# Altium PCB Blues Brkr.PcbDoc
Units mm, origin at the board's own origin, x right, y up, seen from the top; angles counter-clockwise.
Board outline 59.05 x 85.17 mm, 2 copper layers (Top Layer, Bottom Layer); 80 components, 53 nets, 214 pads, 232 vias.
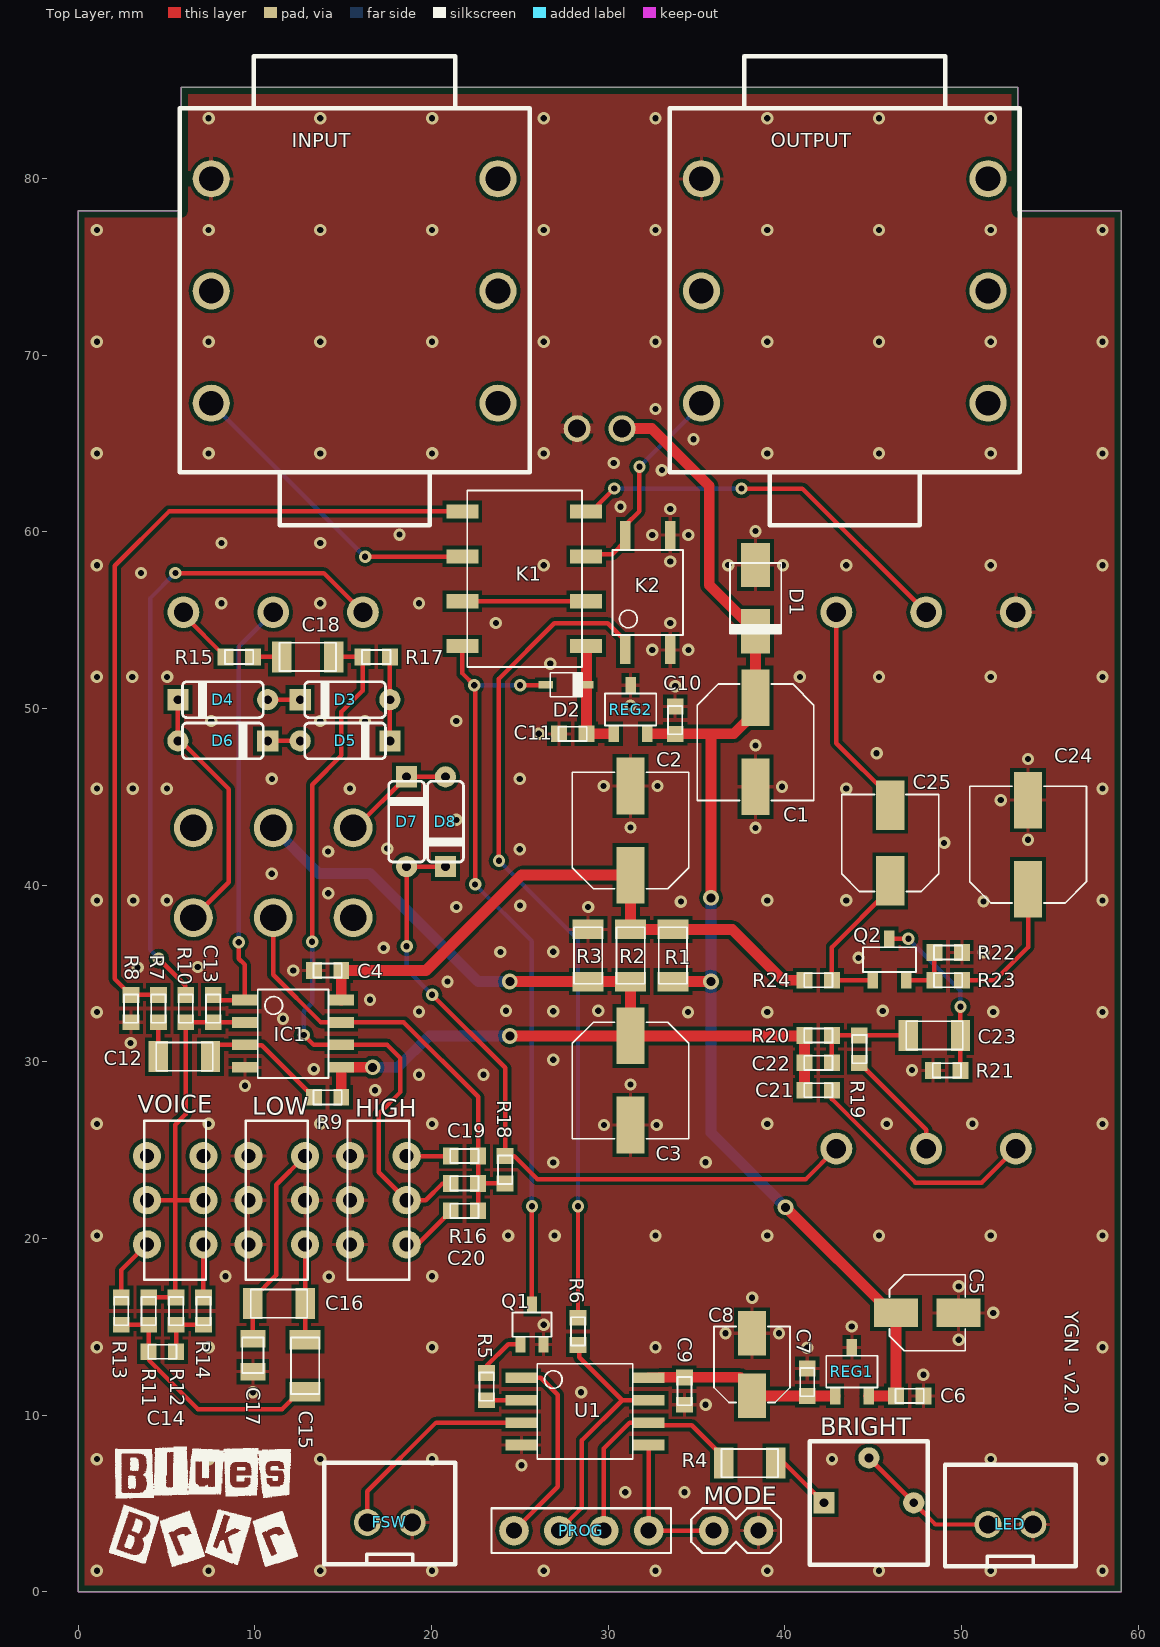
[diagram p0: Top Layer view]
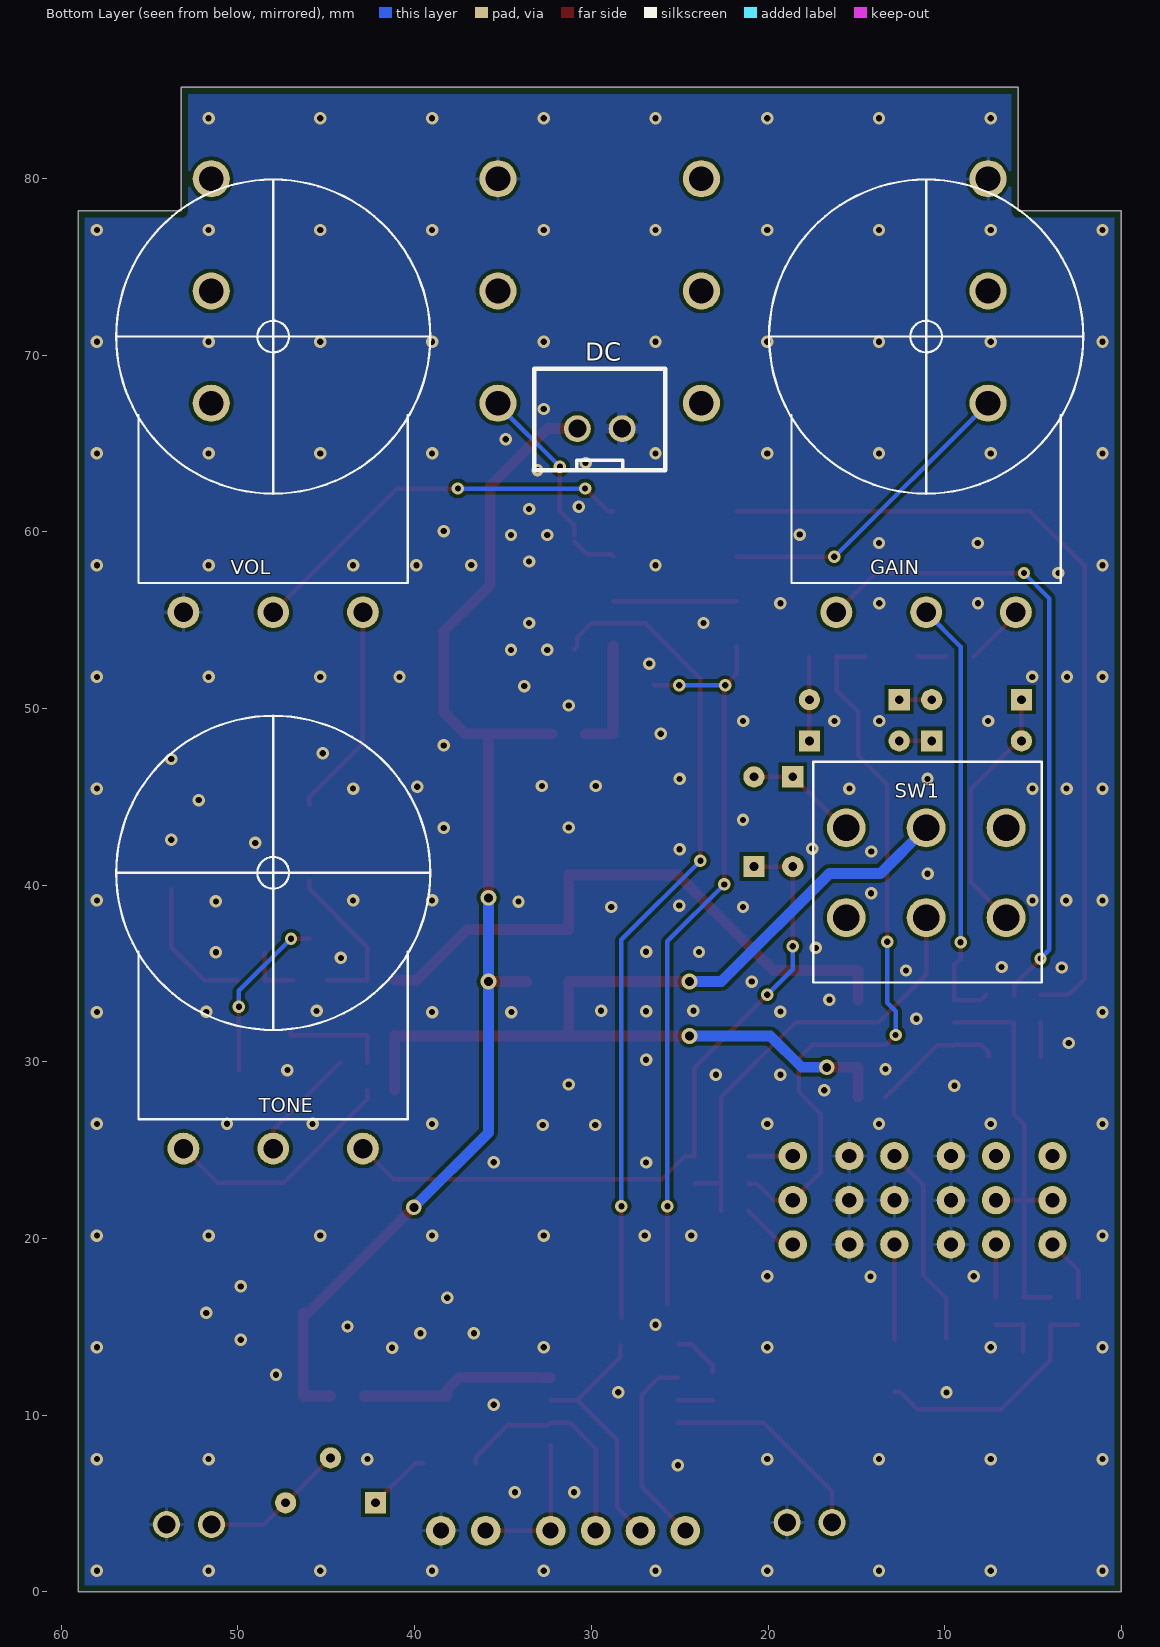
[diagram p1: Bottom Layer view, seen from below]
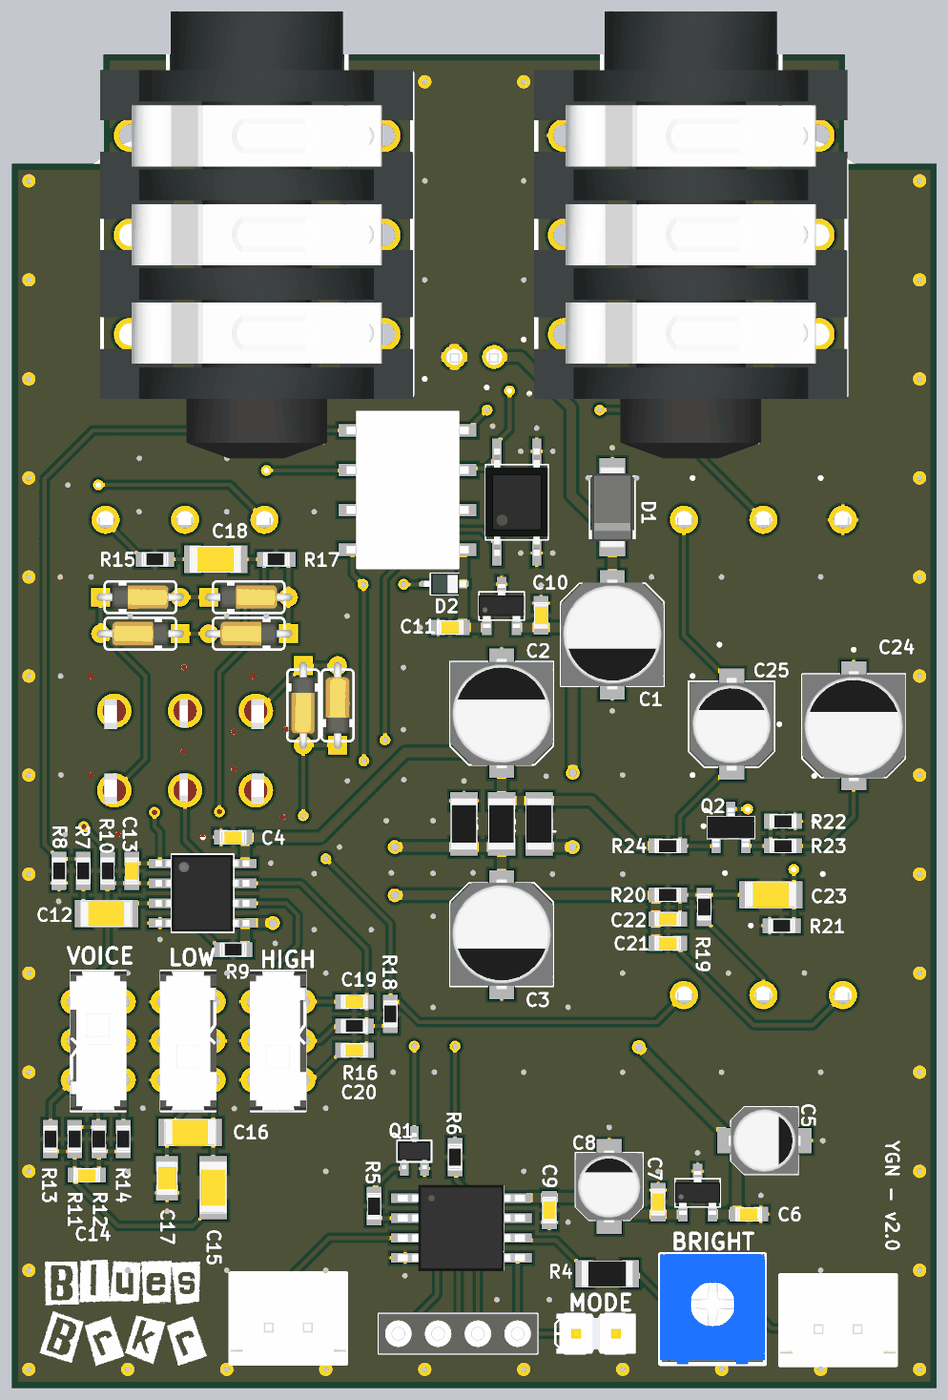
[diagram p2: 3D render of the assembled board from above, using the file's embedded part models]
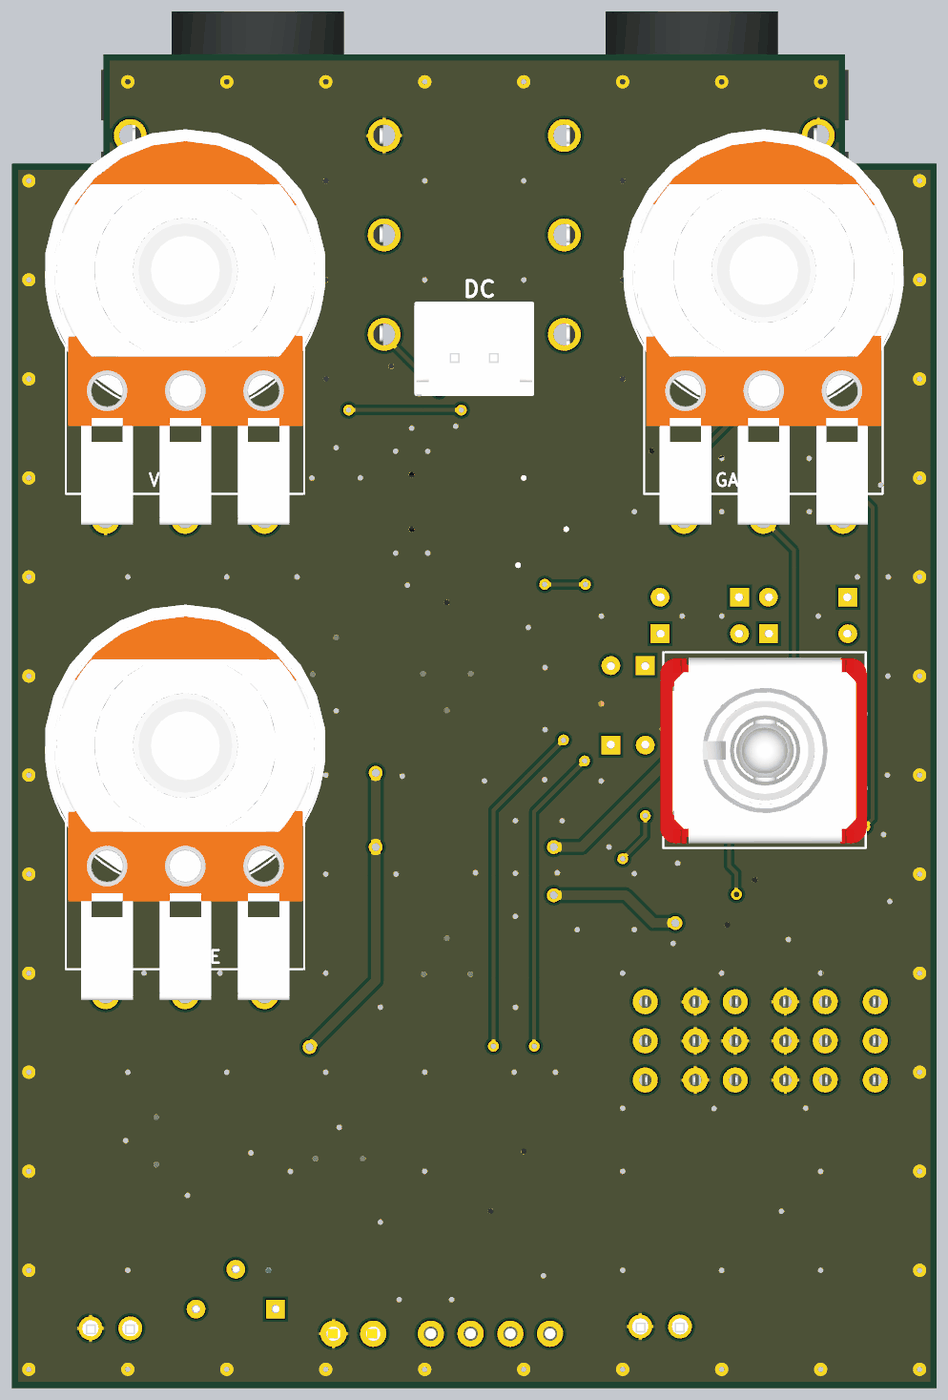
[diagram p3: 3D render of the assembled board from below, using the file's embedded part models]

## Layer stack, top to bottom
Top Solder: solder mask 0.0102, Solder Resist, Dk 3.5
Top Layer: signal copper 0.0356
Dielectric 1: dielectric 0.32, FR-4, Dk 4.8
Bottom Layer: signal copper 0.0356
Bottom Solder: solder mask 0.0102, Solder Resist, Dk 3.5

## Board outline
53.204,85.171 53.204,78.186 59.055,78.186 59.055,0 0,0 0,78.186 5.85,78.186 5.85,85.171

## Design rules (kind name [scope] priority, off if disabled: settings)
BoardOutlineClearance BottomOverlay [OnLayer('Bottom Overlay')] p1: gap=0 ignorepadtopadclearanceinfootprint=FALSE
BoardOutlineClearance TopOverlay [OnLayer('Top Overlay')] p2: gap=0 ignorepadtopadclearanceinfootprint=FALSE
BoardOutlineClearance [All] p3: gap=0.381 ignorepadtopadclearanceinfootprint=FALSE
Clearance [All] p1: gap=0.203 ignorepadtopadclearanceinfootprint=FALSE except(0: Arc-Text Arc-Hole Track-Text Track-Hole SMDPad-Text SMDPad-Hole THPad-Text THPad-Hole Via-Text Via-Hole Fill-Text Fill-Hole Poly-Text Poly-Hole Region-Text Region-Hole Text-Text Text-Hole)
ComponentClearance [All] p1 off: gap=0.025 collisioncheckmode=3 verticalgap=0.025 showdistances=FALSE
DiffPairsRouting [All] p1: maxlimit=10 minlimit=0.152 mostfreqgap=0.203 toplayer_minwidth=0.152 toplayer_maxwidth=0.381 toplayer_prefwidth=0.203 bottomlayer_minwidth=0.152 bottomlayer_maxwidth=0.381 bottomlayer_prefwidth=0.203 maxuncoupledlength=12.7
Height [All] p1 off: minheight=0 maxheight=25.4 prefheight=12.7
HoleSize [All] p1: absolutevalues=TRUE maxlimit=6.731 minlimit=0.3 maxpercent=80.000 minpercent=20.000
HoleToHoleClearance [All] p1: gap=0.254 allowstackedmicrovias=FALSE
MinimumAnnularRing [All] p1: minimumring=0.152
MinimumSolderMaskSliver [All] p1: minsoldermaskwidth=0
PlaneClearance [All] p1: clearance=0.254
PlaneConnect [All] p1: planeconnectstyle=Direct reliefexpansion=0.406 reliefentries=4 reliefconductorwidth=0.152 reliefairgap=0.152
PolygonConnect PolygonConnect_J1 [InComponent ('J1')  Or InComponent ('DC')] p1: connectstyle=Relief reliefconductorwidth=0.61 reliefentries=4 polygonreliefangle="90 Angle" airgapwidth=0.203
PolygonConnect [All] p2: thpad.connectstyle=Relief thpad.reliefconductorwidth=0.203 thpad.reliefentries=4 thpad.polygonreliefangle="90 Angle" thpad.airgapwidth=0.203 smdpad.connectstyle=Relief smdpad.reliefconductorwidth=0.203 smdpad.reliefentries=4 smdpad.polygonreliefangle="90 Angle" smdpad.airgapwidth=0.203 via.connectstyle=Direct via.reliefconductorwidth=0.203 via.reliefentries=4 via.polygonreliefangle="90 Angle" via.airgapwidth=0.203
RoutingCorners [All] p1: cornerstyle=45-Degree minsetback=1.25 maxsetback=1.25
RoutingVias [All] p1: holewidth=0.35 width=0.7 viastyle="Through Hole" minholewidth=0.35 minwidth=0.7 maxholewidth=2.54 maxwidth=2.896
SilkToSilkClearance [All] p1 off: silktosilkclearance=0
SilkToSolderMaskClearance [IsPad] p1 off: minsilkscreentomaskgap=0.152 clearancetoexposedcopper=TRUE
SolderMaskExpansion [All] p1: expansion=0.075 istentingtop=FALSE
Width [All] p1: maxlimit=0.61 minlimit=0.254 preferedwidth=0.254 minimp=50.000000 maximp=50.000000 favimp=50.000000
19 further rules are at their usual default settings.

## Components (designator, comment, footprint, x,y, rotation, side; value= is the part's Value field where it differs from the comment)
BRIGHT "10kB" BOURNS_3362P 44.759,5.05 r0 top
C1 "100u" CAPAE_D 38.35,48.1 r270 top
C2 "100u" CAPAE_D 31.275,43.1 r90 top
C3 "47u" CAPAE_D 31.275,28.954 r270 top
C4 "100n" CHIP_0603 14.125,35.175 r180 top
C5 "10u" CAPAE_B 48.075,15.8 r0 top
C6 "100n" CHIP_0603 47.075,11.1 r0 top
C7 "100n" CHIP_0603 41.275,11.875 r90 top
C8 "10u" CAPAE_B 38.15,12.875 r90 top
C9 "100n" CHIP_0603 34.325,11.375 r270 top
C10 "100n" CHIP_0603 33.8,49.35 r90 top
C11 "100n" CHIP_0603 28,48.575 r180 top
C12 "100n" CHIP_1206 6.025,30.3 r180 top
C13 "100p" CHIP_0603 7.65,33.025 r270 top
C14 "10n" CHIP_0603 4.775,13.6 r180 top
C15 "100n" CHIP_1206 12.85,12.8 r90 top
C16 "100n" CHIP_1206 11.375,16.325 r0 top
C17 "18n" CHIP_0805 9.899,13.4 r270 top
C18 "100n" CHIP_1206 13,52.925 r0 top
C19 "100p" CHIP_0603 21.875,24.675 r180 top
C20 "470p" CHIP_0603 21.875,21.575 r180 top
C21 "10n" CHIP_0603 41.9,28.4 r180 top
C22 "10n" CHIP_0603 41.9,29.95 r180 top
C23 "100n" CHIP_1206 48.475,31.5 r180 top
C24 "22u" CAPAE_D 53.775,42.3 r90 top
C25 "4.7u" CAPAE_C 45.975,42.397 r90 top
D1 "S1A" DO214 38.35,56.25 r90 top
D2 "1N4148WS" SOD323 27.625,51.35 r180 top
D3 "1N4148" DO35_2 15.115,50.506 r0 top
D4 "1N4148" DO35_2 8.195,50.506 r0 top
D5 "1N4148" DO35_2 15.115,48.175 r180 top
D6 "1N4148" DO35_2 8.195,48.175 r180 top
D7 "1N4148" DO35_2 18.6,43.6 r270 top
D8 "1N4148" DO35_2 20.8,43.6 r90 top
DC "J_JST-XH-02" JST-XH-02 29.525,65.85 r180 bottom
FSW "" JST-XH-02 17.648,3.935 r0 top
GAIN "250kB" ALPHA_16mm_BOTTOM 11.049,55.437 r180 bottom locked
HIGH "DPDT" DPDT_SLIDE 15.25,26.675 r270 top
IC1 "TL072" SO-8 12.175,31.6 r0 top
INPUT "" STEREO 15.657,73.639 r90 top locked
K1 "G6K" G6K 25.375,57.35 r180 top
K2 "TLP175A" TLP175A 32.25,56.575 r90 top
LED "" JST-XH-02 52.773,3.82 r0 top
LOW "DPDT" DPDT_SLIDE 9.5,26.675 r270 top
MODE "HEADER_2PINS" HEADER_2PINS 37.25,3.475 r0 top
OUTPUT "" STEREO 43.398,73.639 r90 top locked
PROG "J_HEADER_4PINS_FEM" HEADER_4Pins_FEM 25.95,3.475 r0 top
Q1 "MBT2222A" SOT323 25.7,15.144 r90 top
Q2 "MMBF5457" SOT23 45.925,35.8 r90 top
R1 "47R" CHIP_R_1206 33.675,36.025 r90 top
R2 "47k" CHIP_R_1206 31.275,36.025 r270 top
R3 "47k" CHIP_R_1206 28.875,36.025 r270 top
R4 "220R" CHIP_R_1206 38.025,7.3 r0 top
R5 "20k" CHIP_R_0603 23.125,11.625 r90 top
R6 "1k" CHIP_R_0603 28.3,14.75 r90 top
R7 "1k" CHIP_R_0603 4.55,33.025 r270 top
R8 "2.2M" CHIP_R_0603 3,33.025 r90 top
R9 "2.2M" CHIP_R_0603 14.126,28 r0 top
R10 "10k" CHIP_R_0603 6.1,33.025 r90 top
R11 "27k" CHIP_R_0603 4,15.9 r90 top
R12 "33k" CHIP_R_0603 5.55,15.9 r90 top
R13 "56k" CHIP_R_0603 2.45,15.9 r90 top
R14 "3.6k" CHIP_R_0603 7.1,15.9 r90 top
R15 "10k" CHIP_R_0603 9.125,52.925 r180 top
R16 "220k" CHIP_R_0603 21.875,23.125 r0 top
R17 "6.8k" CHIP_R_0603 16.88,52.925 r180 top
R18 "1k" CHIP_R_0603 24.175,23.9 r90 top
R19 "6.8k" CHIP_R_0603 44.225,30.725 r270 top
R20 "100k" CHIP_R_0603 41.9,31.5 r0 top
R21 "1M" CHIP_R_0603 49.175,29.525 r0 top
R22 "12k" CHIP_R_0603 49.25,36.2 r180 top
R23 "12k" CHIP_R_0603 49.25,34.625 r180 top
R24 "22k" CHIP_R_0603 41.9,34.625 r180 top
REG1 "78L05" SOT23-3 43.8,12.475 r90 top
REG2 "78L05" SOT23-3 31.275,49.95 r90 top
SW1 "DPDT" DPDT 11.049,40.711 r270 bottom locked
TONE "25kB" ALPHA_16mm_BOTTOM 48.006,25.084 r180 bottom locked
U1 "ATTINY85" SOP8 28.7,10.225 r0 top
VOICE "DPDT" DPDT_SLIDE 7.25,17.675 r90 top
VOL "100kA" ALPHA_16mm_BOTTOM 48.006,55.437 r180 bottom locked

## Footprints (in the part's own frame and the unit in brackets; to place one, negate y for a bottom-side part, rotate by r counter-clockwise, add the part's x,y. Pads: shape width x height; smd on the part's side, far side on the other; paste and mask are expansions set on the pad)
ALPHA_16mm_BOTTOM [mm]
  round 1.8 hole 1.1: 1(-5.08,0.016) 2(0,0.016) 3(5.08,0.016)
  silkscreen extent -8.89,1.67 8.89,24.51, body extent -8.99,-0.31 11.3,24.95, height 27.09
BOURNS_3362P [mm]
  rect 1.2x1.2 hole 0.5: 1(-2.534,0)
  round 1.2 hole 0.5: 2(0.006,2.54) 3(2.546,0)
  silkscreen extent -3.35,-3.51 3.35,3.49, body extent -3.35,-3.53 3.35,3.51, height 4.88
CAPAE_B [mm] "Aluminum Electrolytic Capacitor, Body 4.30x4.30x5.40mm, IPC Low Density"
  rect 2.5x1.6 smd: +(-1.772,0) -(1.772,0)
  silkscreen extent -2.15,-2.15 2.15,2.15, body extent -2.3,-2.14 2.3,2.16, height 5.41
CAPAE_C [mm] "Aluminum Electrolytic Capacitor, Body 5.30x5.30x5.40mm, IPC Low Density"
  rect 2.8x1.6 smd: +(-2.147,0) -(2.147,0)
  silkscreen extent -2.75,-2.75 2.75,2.75, body extent -2.95,-2.65 2.95,2.65, height 5.41
CAPAE_D [mm] "Aluminum Electrolytic Capacitor, Body 6.60x6.60x5.40mm, IPC Low Density"
  rect 3.2x1.6 smd: +(-2.521,0) -(2.521,0)
  silkscreen extent -3.3,-3.3 3.3,3.3, body extent -3.53,-3.3 3.47,3.3, height 5.41
CHIP_0603 [mm] "Chip Capacitor, 2-Leads, Body 1.60x0.80mm, IPC Medium Density"
  rect 0.9x0.95 smd: 1(-0.775,0) 2(0.775,0)
  silkscreen extent -0.8,-0.4 0.8,0.4, body extent -0.75,-0.4 0.75,0.4, height 0.65
CHIP_0805 [mm] "Chip Capacitor, 2-Leads, Body 2.00x1.25mm, IPC Medium Density"
  rect 1x1.4 smd: 1(-0.925,0) 2(0.925,0)
  silkscreen extent -1,-0.6 1,0.6, body extent -1,-0.6 1,0.6, height 0.7
CHIP_1206 [mm] "Chip Capacitor, 2-Leads, Body 3.20x1.60mm, IPC Medium Density"
  rect 1.1x1.75 smd: 1(-1.475,0) 2(1.475,0)
  silkscreen extent -1.6,-0.8 1.6,0.8, body extent -1.6,-0.8 1.6,0.8, height 1.05
CHIP_R_0603 [mm] "Chip Resistor, 2-Leads, Body 1.60x0.80mm, IPC Medium Density"
  rect 0.9x0.95 smd: 1(-0.775,0) 2(0.775,0)
  silkscreen extent -0.8,-0.4 0.8,0.4, body extent -0.75,-0.4 0.75,0.4, height 0.63
CHIP_R_1206 [mm] "Chip Resistor 2-Leads, Body 3.20x1.60mm, IPC Medium Density"
  rect 1.1x1.75 smd: 1(-1.475,0) 2(1.475,0)
  silkscreen extent -1.6,-0.8 1.6,0.8, body extent -1.65,-0.8 1.65,0.8, height 0.76
DO35_2 [mm]
  round 1.2 hole 0.5: A(2.54,0)
  rect 1.2x1.2 hole 0.5: C(-2.54,0)
  silkscreen extent -2.29,-1.02 2.29,1.02, body extent -2.75,-0.75 2.75,0.75, height 1.51
DO214 [mm] "Molded Diode, 2-Leads, Body 4.30x2.63mm, IPC Medium Density"
  rect 2.5x1.65 smd: 1(-1.875,0) 2(1.875,0)
  silkscreen extent -2,-1.45 2,1.45, body extent -2.6,-1.3 2.6,1.3, height 2.4
DPDT [mm]
  round 2.2 hole 1.5: A1(-2.54,4.521) A2(-2.54,0) A3(-2.54,-4.521) B1(2.54,4.521) B2(2.54,0) B3(2.54,-4.521)
  silkscreen extent -6.28,-6.4 6.22,6.54, body extent -5.93,-6.59 9.4,6.64, height 32.33
DPDT_SLIDE [mm]
  round 1.6 hole 0.8: A1(2,3.35) A2(4.5,3.35) A3(7,3.35) B1(2,0.15) B2(4.5,0.15) B3(7,0.15)
  silkscreen extent 0,0 9,3.5, body extent 0,-0.05 9,3.55, height 5.5
G6K [mm]
  rect 1.8x0.8 smd: 1(-3.386,3.81) 2(-3.386,1.27) 3(-3.386,-1.27) 4(-3.386,-3.81) 5(3.614,-3.81) 6(3.614,-1.27) 7(3.614,1.27) 8(3.614,3.81)
  silkscreen extent -3.15,-5 3.35,5, body extent -3.8,-5 4,5, height 5.2
HEADER_2PINS [mil]
  round 66 hole 35.43: 1(50,0) 2(-50,0)
  silkscreen extent -100,-50 100,50, body extent -102,-50 102,50, height 330
HEADER_4Pins_FEM [mil]
  round 66 hole 35.43: 1(-50,0) 2(50,0) 3(150,0) 4(250,0)
  silkscreen extent -100,-50 300,50, body extent -100,-50 300,50, height 237
JST-XH-02 [mil]
  round 60 hole 40: 1(-50,0) 2(50,0)
  silkscreen extent -146,-93 146,134, body extent -146,-95 146,131, height 276
SO-8 [mm] "SOIC, 8-Leads, Body 4.90x3.90mm, Pitch 1.27mm, IPC Medium Density"
  rect 1.45x0.6 smd: 1(-2.725,1.905) 2(-2.725,0.635) 3(-2.725,-0.635) 4(-2.725,-1.905) 5(2.725,-1.905) 6(2.725,-0.635) 7(2.725,0.635) 8(2.725,1.905)
  silkscreen extent -2,-2.5 2,2.5, body extent -3.02,-2.45 2.98,2.45, height 1.75
SOD323 [mm] "SODFL, 2-Leads, Body 1.25x2.50mm, IPC Medium Density"
  rect 0.8x0.4 smd: 1(-1.15,0) 2(1.15,0)
  silkscreen extent -0.9,-0.68 0.9,0.67, body extent -1.4,-0.68 1.3,0.67, height 0.79
SOP8 [mm] "SOP, 8-Leads, Body 5.24x5.29mm, Pitch 1.27mm, IPC Medium Density"
  rect 1.8x0.6 smd: 1(-3.6,1.905) 2(-3.6,0.635) 3(-3.6,-0.635) 4(-3.6,-1.905) 5(3.6,-1.905) 6(3.6,-0.635) 7(3.6,0.635) 8(3.6,1.905)
  silkscreen extent -2.7,-2.7 2.7,2.7, body extent -4.07,-2.74 4.07,2.74, height 1.9
SOT23 [mm] "SOT23, 3-Leads, Body 2.90x2.35mm, Pitch 0.95mm, IPC Medium Density"
  rect 0.95x0.6 smd: 1(-1.175,0.95) 2(-1.175,-0.95) 3(1.175,0)
  silkscreen extent -0.7,-1.5 0.7,1.5, body extent -1.25,-1.5 1.25,1.5, height 1.05
SOT23-3 [mm] "SOT23, 3-Leads, Body 2.80x2.80mm, Pitch 0.95mm, IPC Medium Density"
  rect 0.95x0.6 smd: 1(-1.375,0.95) 2(-1.375,-0.95) 3(1.375,0)
  silkscreen extent -0.9,-1.45 0.9,1.45, body extent -1.4,-1.45 1.4,1.45, height 1.3
SOT323 [mm] "SOT23, 3-Leads, Body 2.00x2.20mm, Pitch 0.65mm, IPC Medium Density"
  rect 0.9x0.55 smd: 1(-1.125,0.65) 2(-1.125,-0.65) 3(1.125,0)
  silkscreen extent -0.7,-1.1 0.67,1.1, body extent -1.15,-1.05 1.15,1.05, height 1
STEREO [mm]
  round 2.1 hole 1.4: R(0,8.115) RN(0,-8.115) S(6.35,8.115) SN(6.35,-8.115) T(-6.35,8.115) TN(-6.35,-8.115)
  silkscreen extent -13.25,-9.91 13.3,9.91, body extent -14.28,-9.97 14.28,10.03, height 15.5
TLP175A [mm] "SOP, 4-Leads, Body 3.75x4.60mm, Pitch 2.54mm, IPC Medium Density"
  rect 1.6x0.6 smd: 1(-3.25,1.27) 3(-3.25,-1.27) 4(3.25,-1.27) 6(3.25,1.27)
  silkscreen extent -2.4,-2 2.4,2, body extent -3.43,-2 3.43,2, height 2.02
